# KiCad board raw.kicad_pcb (continued)
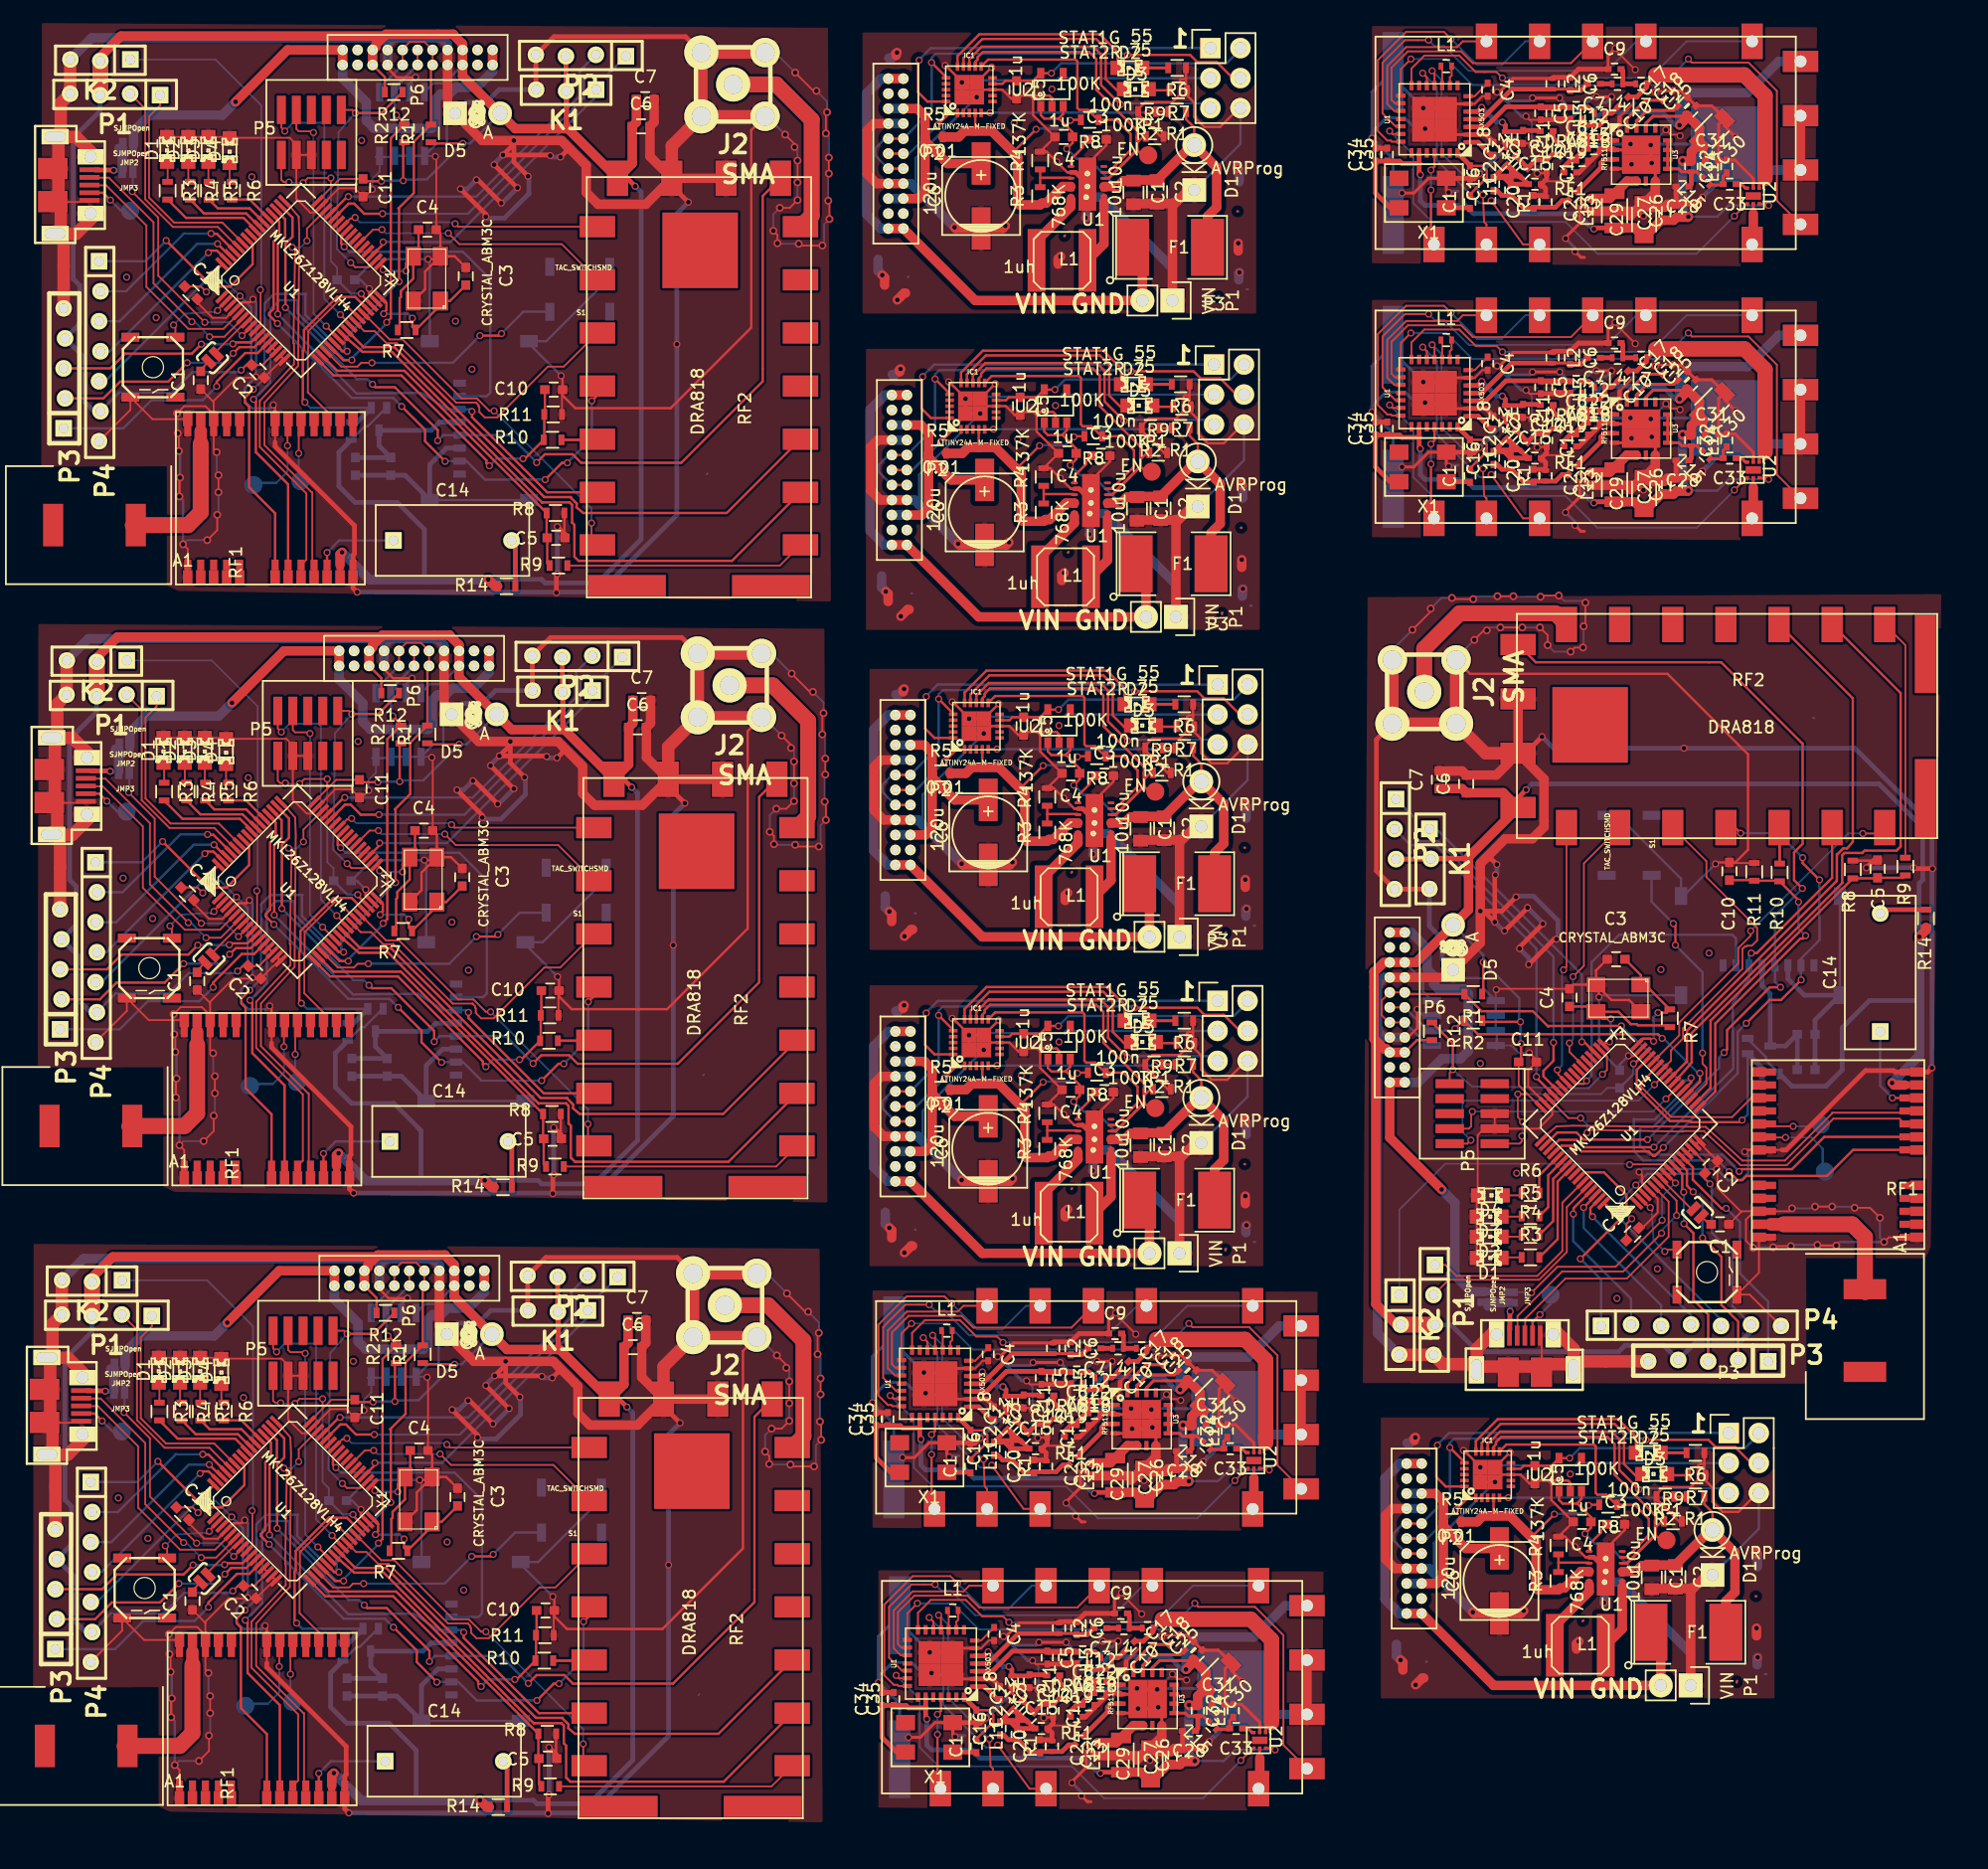
[diagram p0: board, top side]
## Routing (per net, layer and track width the routed paths; a pad name or vN(x,y) marks a point on that pad's centre or on a via; arc(x,y) is an arc through that point) (continued)
  Bottom w0.8: 117.55,41.8 P1#9.3 ; 3.83,42.56 P1#8.3 ; 4.23,95.06 P1#7.3 ; 4.53,145.96 P1#6.3 ; v1(156.28,62.28) 158.6,64.6 158.6,74.63 v1(158.58,74.65) ; v1(24.3,3.83) 26.62,1.5 36.65,1.5 v1(36.68,1.53) ; v1(24.7,56.33) 27.02,54 37.05,54 v1(37.08,54.03) ; v1(25,107.23) 27.33,104.9 37.35,104.9 v1(37.38,104.93) ; v1(139.03,135.65) 138.53,136.15 v1(138.53,140.4) ; v1(97.22,4.85) 96.72,5.35 v1(96.72,9.6) ; v1(96.72,28.55) 96.22,29.05 v1(96.22,33.3) ; v1(139.03,112.45) 138.53,112.95 v1(138.53,117.2) ; v1(138.28,120.2) 138.28,121.95 139.28,122.95 144.03,122.95 146.67,125.6 RF1#8.8 ; v1(138.28,143.4) 138.28,145.15 139.28,146.15 144.03,146.15 146.67,148.8 RF1#7.8 ; v1(96.47,12.6) 96.47,14.35 97.47,15.35 102.22,15.35 104.88,18 RF1#6.8 ; v1(95.97,36.3) 95.97,38.05 96.97,39.05 101.72,39.05 104.38,41.7 RF1#5.8 ; P2#5.5 P2#5.6 ; P2#2.17 P2#2.18 ; P2#5.17 P2#5.18 ; P2#3.17 P2#3.18 ; P2.5 P2.6 ; P2#3.5 P2#3.6 ; P2#2.5 P2#2.6 ; P2#4.5 P2#4.6 ; P2#4.17 P2#4.18 ; P2.17 P2.18
/Vin: length 175.6
  Top w0.2: U1#5.10 U1#5.11 ; U1#4.10 U1#4.11 ; U1.10 U1.11 ; U1#3.10 U1#3.11 ; U1#2.10 U1#2.11 ; 129.6,26.68 129.57,26.65 128.38,26.65 128.07,26.95 U2#4.1 ; 129.6,26.68 130.78,25.5 C4#5.1 130.78,24.6 v1(130.28,24.1) ; 129.6,26.68 129.97,27.05 U2#4.3 ; 86.3,63.28 86.28,63.25 85.07,63.25 84.78,63.55 U2#5.1 ; 86.3,63.28 87.47,62.1 C4#4.1 87.47,61.2 v1(86.97,60.7) ; 86.3,63.28 86.68,63.65 U2#5.3 ; 86.3,90.08 86.28,90.05 85.07,90.05 84.78,90.35 U2#3.1 ; 86.3,90.08 87.47,88.9 C4#3.1 87.47,88 v1(86.97,87.5) ; 86.3,90.08 86.68,90.45 U2#3.3 ; 86,117.18 85.97,117.15 84.78,117.15 84.47,117.45 U2#2.1 ; 86,117.18 87.18,116 C4#2.1 87.18,115.1 v1(86.68,114.6) ; 86,117.18 86.38,117.55 U2#2.3 ; 85.7,143.98 85.68,143.95 84.47,143.95 84.18,144.25 U2.1 ; 85.7,143.98 86.88,142.8 C4.1 86.88,141.9 v1(86.38,141.4) ; 85.7,143.98 86.07,144.35 U2.3 ; v1(134.53,20.85) 134.53,20.9 ; v1(134.53,20.85) 134.53,20.9 ; v1(134.53,20.85) 134.53,20.9 ; v1(91.22,57.45) 91.22,57.5 ; v1(91.22,57.45) 91.22,57.5 ; v1(91.22,57.45) 91.22,57.5 ; v1(91.22,84.25) 91.22,84.3 ; v1(91.22,84.25) 91.22,84.3 ; v1(91.22,84.25) 91.22,84.3 ; v1(90.93,111.35) 90.93,111.4 ; v1(90.93,111.35) 90.93,111.4 ; v1(90.93,111.35) 90.93,111.4 ; v1(90.62,138.15) 90.62,138.2 ; v1(90.62,138.15) 90.62,138.2 ; v1(90.62,138.15) 90.62,138.2 ; R1#4.1 140.38,26.6 141.07,25.9 D1#5.2 ; R1#5.1 97.07,63.2 97.78,62.5 D1#4.2 ; R1#3.1 97.07,90 97.78,89.3 D1.2 ; R1#2.1 96.78,117.1 97.47,116.4 D1#3.2 ; R1.1 96.47,143.9 97.18,143.2 D1#2.2
  Top w0.8: v1(134.53,20.85) 135.07,21.4 C1#5.1 135.97,21.45 C2#5.1 140.88,24.41 D1#5.2 142.97,22.51 142.97,19.15 142.2,18.38 F1#5.2 ; v1(91.22,57.45) 91.78,58 C1#4.1 92.68,58.05 C2#4.1 97.59,61.01 D1#4.2 99.68,59.11 99.68,55.75 98.9,54.98 F1#4.2 ; v1(91.22,84.25) 91.78,84.8 C1#3.1 92.68,84.85 C2#3.1 97.59,87.81 D1.2 99.68,85.91 99.68,82.55 98.9,81.78 F1#3.2 ; v1(90.93,111.35) 91.47,111.9 C1#2.1 92.38,111.95 C2#2.1 97.28,114.91 D1#3.2 99.38,113.01 99.38,109.65 98.6,108.88 F1#2.2 ; v1(90.62,138.15) 91.18,138.7 C1.1 92.07,138.75 C2.1 96.99,141.71 D1#2.2 99.07,139.81 99.07,136.45 98.3,135.68 F1.2 ; 89.53,138.2 90.62,138.2 ; 90.12,57.5 91.22,57.5 ; 133.42,20.9 134.53,20.9 ; 90.12,84.3 91.22,84.3 ; 89.82,111.4 90.93,111.4
  Bottom w0.2: v1(130.28,24.1) 131.12,23.25 132.12,23.25 v1(134.53,20.85) ; v1(86.97,60.7) 87.82,59.85 88.82,59.85 v1(91.22,57.45) ; v1(86.97,87.5) 87.82,86.65 88.82,86.65 v1(91.22,84.25) ; v1(86.68,114.6) 87.53,113.75 88.53,113.75 v1(90.93,111.35) ; v1(86.38,141.4) 87.22,140.55 88.22,140.55 v1(90.62,138.15)
GND: length 3707.6
  Top w0.152: 146.1,51.5 RF1#4.10 ; RF1#4.10 147.55,51.4 v2(147.8,51.65) ; RF1#4.10 144.6,51.4 143.9,50.7 143.9,48.9 v2(144.5,48.3) ; RF1#4.10 RF1#4.10 143.55,51.4 143.5,51.35 ; 13.53,14 RF1#3.10 ; RF1#3.10 13.43,12.55 v2(13.68,12.3) ; RF1#3.10 13.43,15.5 12.73,16.2 10.93,16.2 v2(10.33,15.6) ; RF1#3.10 RF1#3.10 13.43,16.55 13.38,16.6 ; 13.93,66.5 RF1#2.10 ; RF1#2.10 13.83,65.05 v2(14.08,64.8) ; RF1#2.10 13.83,68 13.12,68.7 11.33,68.7 v2(10.73,68.1) ; RF1#2.10 RF1#2.10 13.83,69.05 13.78,69.1 ; 14.23,117.4 RF1.10 ; RF1.10 14.12,115.95 v2(14.38,115.7) ; RF1.10 RF1.10 14.12,119.95 14.08,120 ; RF1.10 14.12,118.9 13.43,119.6 11.62,119.6 v2(11.03,119) ; 146.1,49.1 RF1#4.12 RF1#4.12 145,46.21 S2#4.4 144.22,44.35 P4#4.7 ; 11.12,14 RF1#3.12 RF1#3.12 8.23,15.1 S2#3.4 6.37,15.89 P4#3.7 ; 11.53,66.5 RF1#2.12 RF1#2.12 8.63,67.6 S2#2.4 6.77,68.39 P4#2.7 ; 11.83,117.4 RF1.12 RF1.12 8.93,118.5 S2.4 7.07,119.29 P4.7 ; 143.5,51.35 C1#9.1 ; 143.5,51.35 141.48,53.37 C2#9.1 139.97,57.2 U1#9.16 U1#9.15 ; 13.38,16.6 C1#8.1 ; 13.38,16.6 15.39,18.62 C2#8.1 19.22,20.13 U1#8.16 U1#8.15 ; 13.78,69.1 C1#7.1 ; 13.78,69.1 15.79,71.12 C2#7.1 19.62,72.63 U1#7.16 U1#7.15 ; 14.08,120 C1#6.1 ; 14.08,120 16.09,122.02 C2#6.1 19.92,123.53 U1#6.16 U1#6.15 ; 126.6,38.25 126.6,41.26 126.51,41.36 ; 0.27,33.5 3.28,33.5 3.38,33.6 ; 0.67,86 3.68,86 3.78,86.1 ; 0.97,136.9 3.98,136.9 4.08,137 ; R11#4.2 142.55,80.9 C10#4.2 ; R11#3.2 42.93,17.55 C10#3.2 ; R11#2.2 43.33,70.05 C10#2.2 ; R11.2 43.62,120.95 C10.2 ; U1#9.4 136.43,52.45 136.43,51.3 135.13,50.01 C13#4.2 ; U1#8.4 14.47,23.68 13.33,23.68 12.03,24.97 C13#3.2 ; U1#7.4 14.87,76.18 13.73,76.18 12.43,77.47 C13#2.2 ; U1#6.4 15.17,127.08 14.03,127.08 12.73,128.37 C13.2 ; P5#4.3 126.33,58.4 127.5,59.58 127.5,59.98 126.91,60.57 U1#9.47 126.89,60.57 125.45,62 125.45,63.35 C11#4.2 126.15,64.23 v1(125.55,64.83) ; P5#4.3 P5#4.5 ; P5#4.3 121.73,58.4 121.18,57.85 121.18,52.78 D4#4.2 121.11,52.65 D3#9.2 D2#9.2 D1#9.2 ; P5#3.3 20.43,33.78 21.6,32.6 22,32.6 22.59,33.19 U1#8.47 22.59,33.22 24.02,34.65 25.38,34.65 C11#3.2 26.25,33.95 v1(26.85,34.55) ; P5#3.3 P5#3.5 ; P5#3.3 20.43,38.38 19.88,38.93 14.8,38.93 D4#3.2 14.68,39 D3#8.2 D2#8.2 D1#8.2 ; P5#2.3 20.83,86.28 22,85.1 22.4,85.1 22.99,85.69 U1#7.47 22.99,85.72 24.43,87.15 25.77,87.15 C11#2.2 26.65,86.45 v1(27.25,87.05) ; P5#2.3 P5#2.5 ; P5#2.3 20.83,90.88 20.27,91.43 15.2,91.43 D4#2.2 15.08,91.5 D3#7.2 D2#7.2 D1#7.2 ; P5.3 21.12,137.18 22.3,136 22.7,136 23.29,136.59 U1#6.47 23.29,136.62 24.73,138.05 26.08,138.05 C11.2 26.95,137.35 v1(27.55,137.95) ; P5.3 21.12,141.78 20.58,142.33 15.5,142.33 D4.2 15.38,142.4 D3#6.2 D2#6.2 D1#6.2 ; P5.3 P5.5 ; v1(122.75,70.18) 122.83,70.25 C4#9.2 ; v1(32.2,37.35) 32.27,37.28 C4#8.2 ; v1(32.6,89.85) 32.68,89.78 C4#7.2 ; v1(32.9,140.75) 32.98,140.68 C4#6.2 ; v1(138.65,90.63) 138.65,90.65 ; v1(52.65,21.45) 52.68,21.45 ; v1(53.05,73.95) 53.07,73.95 ; v1(53.35,124.85) 53.38,124.85 ; v2(120.9,99.8) 121.7,100.6 v2(121.95,100.6) ; v2(61.82,39.2) 62.63,38.4 v2(62.63,38.15) ; v2(62.23,91.7) 63.02,90.9 v2(63.02,90.65) ; v2(62.52,142.6) 63.32,141.8 v2(63.32,141.55) ; v2(123.1,100.85) v2(124.95,100.85) ; v2(62.88,37) v2(62.88,35.15) ; v2(63.27,89.5) v2(63.27,87.65) ; v2(63.57,140.4) v2(63.57,138.55) ; v2(126.45,100.85) 127.1,100.2 v2(127.1,99.35) ; v2(62.88,33.65) 62.23,33 v2(61.38,33) ; v2(63.27,86.15) 62.63,85.5 v2(61.77,85.5) ; v2(63.57,137.05) 62.93,136.4 v2(62.07,136.4) ; v2(129.05,98.8) 129.4,99.15 v2(130.1,99.15) ; v2(60.82,31.05) 61.18,30.7 v2(61.18,30) ; v2(61.23,83.55) 61.57,83.2 v2(61.57,82.5) ; v2(61.52,134.45) 61.88,134.1 v2(61.88,133.4) ; v2(130.15,100.95) 130.3,101.1 v2(130.3,102.95) ; v2(62.98,29.95) 63.13,29.8 v2(64.97,29.8) ; v2(63.38,82.45) 63.52,82.3 v2(65.38,82.3) ; v2(63.68,133.35) 63.82,133.2 v2(65.68,133.2) ; v2(115.65,100.65) 117.2,102.2 v2(117.2,102.45) ; v2(62.68,44.45) 64.22,42.9 v2(64.47,42.9) ; v2(63.07,96.95) 64.62,95.4 v2(64.88,95.4) ; v2(63.38,147.85) 64.93,146.3 v2(65.18,146.3) ; v2(119,103.35) 119.1,103.25 v2(120.8,103.25) ; v2(65.38,41.1) 65.28,41 v2(65.28,39.3) ; v2(65.78,93.6) 65.68,93.5 v2(65.68,91.8) ; v2(66.07,144.5) 65.97,144.4 v2(65.97,142.7) ; v2(122.85,103.5) v2(124.2,103.5) ; v2(65.53,37.25) v2(65.53,35.9) ; v2(65.93,89.75) v2(65.93,88.4) ; v2(66.22,140.65) v2(66.22,139.3) ; v2(126.5,103.45) 126.6,103.55 v2(128.05,103.55) ; v2(65.47,33.6) 65.57,33.5 v2(65.57,32.05) ; v2(65.88,86.1) 65.97,86 v2(65.97,84.55) ; v2(66.18,137) 66.28,136.9 v2(66.28,135.45) ; v2(155.6,48.8) 156,49.2 RF1#4.13 ; v2(10.83,4.5) 11.23,4.1 RF1#3.13 ; v2(11.23,57) 11.62,56.6 RF1#2.13 ; v2(11.53,107.9) 11.93,107.5 RF1.13 ; v2(155.25,50.85) 154.4,51.7 v2(153.1,51.7) ; v2(12.88,4.85) 13.73,5.7 v2(13.73,7) ; v2(13.28,57.35) 14.12,58.2 v2(14.12,59.5) ; v2(13.58,108.25) 14.43,109.1 v2(14.43,110.4) ; v2(151.2,51.8) v2(149.75,51.8) ; v2(13.83,8.9) v2(13.83,10.35) ; v2(14.23,61.4) v2(14.23,62.85) ; v2(14.53,112.3) v2(14.53,113.75) ; v2(146.2,48.35) 146.3,48.45 v2(147.7,48.45) ; v2(10.38,13.9) 10.48,13.8 v2(10.48,12.4) ; v2(10.78,66.4) 10.88,66.3 v2(10.88,64.9) ; v2(11.08,117.3) 11.18,117.2 v2(11.18,115.8) ; 19.33,116.55 RF1.7 RF1.7 ; RF1#4.7 RF1#4.7 146.95,56.6 ; RF1#4.24 RF1#4.24 ; RF1#3.7 RF1#3.7 18.62,13.15 ; RF1#2.7 RF1#2.7 19.02,65.65 ; RF1#3.24 RF1#3.24 ; RF1#2.24 RF1#2.24 ; RF1.24 RF1.24 ; 132.05,38.4 132.05,38.69 132.05,38.4 ; 0.43,28.05 0.71,28.05 0.43,28.05 ; 0.83,80.55 1.11,80.55 0.83,80.55 ; 1.12,131.45 1.41,131.45 1.12,131.45
  Top w0.16: v1(125.28,120.95) 125.57,120.65 C5#13.2 ; v1(125.28,144.15) 125.57,143.85 C5#12.2 ; v1(83.47,13.35) 83.78,13.05 C5#11.2 ; v1(82.97,37.05) 83.28,36.75 C5#10.2 ; v1(125.78,118.45) 125.57,118.65 C11#8.2 ; v1(125.78,141.65) 125.57,141.85 C11#7.2 ; v1(83.97,10.85) 83.78,11.05 C11#6.2 ; v1(83.47,34.55) 83.28,34.75 C11#5.2 ; C15#4.2 126.82,115.45 128.78,115.45 129.53,116.2 C19#4.2 ; C15#3.2 126.82,138.65 128.78,138.65 129.53,139.4 C19#3.2 ; C15#2.2 85.03,7.85 86.97,7.85 87.72,8.6 C19#2.2 ; C15.2 84.53,31.55 86.47,31.55 87.22,32.3 C19.2 ; U1#13.6 120.93,122 121.57,122.65 C4#13.2 ; U1#12.6 120.93,145.2 121.57,145.85 C4#12.2 ; U1#11.6 79.13,14.4 79.78,15.05 C4#11.2 ; U1#10.6 78.63,38.1 79.28,38.75 C4#10.2 ; 91.4,13.27 92.43,14.3 ; 133.2,120.87 134.22,121.9 ; 133.2,144.07 134.22,145.1 ; 90.9,36.97 91.93,38 ; v1(94.43,15.4) 94.51,15.49 C17#2.2 ; v1(136.22,123) 136.31,123.09 C17#4.2 ; v1(136.22,146.2) 136.31,146.29 C17#3.2 ; v1(93.93,39.1) 94.01,39.19 C17.2 ; v1(92.72,17.3) 91.03,19 v1(91.03,19.1) ; v1(134.53,124.9) 132.82,126.6 v1(132.82,126.7) ; v1(134.53,148.1) 132.82,149.8 v1(132.82,149.9) ; v1(92.22,41) 90.53,42.7 v1(90.53,42.8) ; v1(137.12,119.8) 137.53,119.4 138.22,119.4 v1(138.32,119.3) ; v1(137.12,143) 137.53,142.6 138.22,142.6 v1(138.32,142.5) ; v1(95.32,12.2) 95.72,11.8 96.43,11.8 v1(96.53,11.7) ; v1(94.82,35.9) 95.22,35.5 95.93,35.5 v1(96.03,35.4)
  Top w0.2: 127.47,28.35 127.42,28.3 127.42,26.95 C4#5.2 R4#4.2 128.57,23.85 v1(129.42,23) 130.32,22.1 U1#5.2 ; 127.47,28.35 127.72,28.6 127.67,28.55 127.67,28.6 ; 127.47,28.35 127.42,28.35 127.17,28.6 ; 84.18,64.95 84.12,64.9 84.12,63.55 C4#4.2 R4#5.2 85.28,60.45 v1(86.12,59.6) 87.03,58.7 U1#4.2 ; 84.18,64.95 84.43,65.2 84.38,65.15 84.38,65.2 ; 84.18,64.95 84.12,64.95 83.88,65.2 ; 84.18,91.75 84.12,91.7 84.12,90.35 C4#3.2 R4#3.2 85.28,87.25 v1(86.12,86.4) 87.03,85.5 U1.2 ; 84.18,91.75 84.43,92 84.38,91.95 84.38,92 ; 84.18,91.75 84.12,91.75 83.88,92 ; 83.88,118.85 83.82,118.8 83.82,117.45 C4#2.2 R4#2.2 84.97,114.35 v1(85.82,113.5) 86.72,112.6 U1#3.2 ; 83.88,118.85 84.12,119.1 84.07,119.05 84.07,119.1 ; 83.88,118.85 83.82,118.85 83.57,119.1 ; 83.57,145.65 83.53,145.6 83.53,144.25 C4.2 R4.2 84.68,141.15 v1(85.53,140.3) 86.43,139.4 U1#2.2 ; 83.57,145.65 83.82,145.9 83.78,145.85 83.78,145.9 ; 83.57,145.65 83.53,145.65 83.28,145.9 ; 127.67,28.6 127.17,28.6 ; 127.67,28.6 128.82,28.6 129.03,28.4 U2#4.2 129.03,28 ; 84.38,65.2 83.88,65.2 ; 84.38,65.2 85.53,65.2 85.72,65 U2#5.2 85.72,64.6 ; 84.38,92 83.88,92 ; 84.38,92 85.53,92 85.72,91.8 U2#3.2 85.72,91.4 ; 84.07,119.1 83.57,119.1 ; 84.07,119.1 85.22,119.1 85.43,118.9 U2#2.2 85.43,118.5 ; 83.78,145.9 83.28,145.9 ; 83.78,145.9 84.93,145.9 85.12,145.7 U2.2 85.12,145.3 ; 127.17,28.6 126.28,28.6 C5#5.2 125.57,28.35 124.82,29.1 IC1#5.8 123.27,29.1 v1(122.65,28.48) IC1#5.21 v1(121.4,29.72) ; 83.88,65.2 82.97,65.2 C5#4.2 82.28,64.95 81.53,65.7 IC1#4.8 79.97,65.7 v1(79.35,65.08) IC1#4.21 v1(78.1,66.32) ; 83.88,92 82.97,92 C5#3.2 82.28,91.75 81.53,92.5 IC1#3.8 79.97,92.5 v1(79.35,91.88) IC1#3.21 v1(78.1,93.12) ; 83.57,119.1 82.68,119.1 C5#2.2 81.97,118.85 81.22,119.6 IC1#2.8 79.67,119.6 v1(79.05,118.98) IC1#2.21 v1(77.8,120.22) ; 83.28,145.9 82.38,145.9 C5.2 81.68,145.65 80.93,146.4 IC1.8 79.37,146.4 v1(78.75,145.78) IC1.21 v1(77.5,147.02) ; 132.17,21.25 U1#5.PAD ; U1#5.PAD U1#5.PAD U1#5.PAD ; U1#5.PAD 132.03,22.8 133.62,24.4 C3#5.2 ; 88.88,57.85 U1#4.PAD ; U1#4.PAD U1#4.PAD U1#4.PAD ; U1#4.PAD 88.72,59.4 90.32,61 C3#4.2 ; 88.88,84.65 U1.PAD ; U1.PAD U1.PAD U1.PAD ; U1.PAD 88.72,86.2 90.32,87.8 C3#3.2 ; 88.57,111.75 U1#3.PAD ; U1#3.PAD U1#3.PAD U1#3.PAD ; U1#3.PAD 88.43,113.3 90.03,114.9 C3#2.2 ; 88.28,138.55 U1#2.PAD ; U1#2.PAD U1#2.PAD U1#2.PAD ; U1#2.PAD 88.12,140.1 89.72,141.7 C3.2 ; 140.38,30 139.97,30 139.88,29.9 139.88,28.7 139.22,28.05 136.92,28.05 136.32,27.45 R2#4.2 136.32,27.05 138.22,25.15 R9#5.2 ; 140.38,30 140.38,29.15 R7#4.1 140.47,28.6 141.07,28 141.07,26.8 141.92,25.95 143.28,25.95 144.87,27.55 P3#4.6 ; 140.38,30 R6#4.1 ; 97.07,66.6 96.68,66.6 96.57,66.5 96.57,65.3 95.93,64.65 93.62,64.65 93.03,64.05 R2#5.2 93.03,63.65 94.93,61.75 R9#4.2 ; 97.07,66.6 97.07,65.75 R7#5.1 97.18,65.2 97.78,64.6 97.78,63.4 98.62,62.55 99.97,62.55 101.57,64.15 P3#5.6 ; 97.07,66.6 R6#5.1 ; 97.07,93.4 96.68,93.4 96.57,93.3 96.57,92.1 95.93,91.45 93.62,91.45 93.03,90.85 R2#3.2 93.03,90.45 94.93,88.55 R9.2 ; 97.07,93.4 97.07,92.55 R7#3.1 97.18,92 97.78,91.4 97.78,90.2 98.62,89.35 99.97,89.35 101.57,90.95 P3#3.6 ; 97.07,93.4 R6#3.1 ; 96.78,120.5 96.38,120.5 96.28,120.4 96.28,119.2 95.62,118.55 93.32,118.55 92.72,117.95 R2#2.2 92.72,117.55 94.62,115.65 R9#3.2 ; 96.78,120.5 96.78,119.65 R7#2.1 96.88,119.1 97.47,118.5 97.47,117.3 98.32,116.45 99.68,116.45 101.27,118.05 101.39,118.05 ; 96.78,120.5 R6#2.1 ; 96.47,147.3 96.07,147.3 95.97,147.2 95.97,146 95.32,145.35 93.03,145.35 92.43,144.75 R2.2 92.43,144.35 94.32,142.45 R9#2.2 ; 96.47,147.3 96.47,146.45 R7.1 96.57,145.9 97.18,145.3 97.18,144.1 98.03,143.25 99.38,143.25 100.97,144.85 101.09,144.85 ; 96.47,147.3 R6.1 ; v1(119.97,31.15) 120.03,31.15 121.4,29.77 v1(121.4,29.72) ; v1(76.68,67.75) 76.72,67.75 78.1,66.37 v1(78.1,66.32) ; v1(76.68,94.55) 76.72,94.55 78.1,93.17 v1(78.1,93.12) ; v1(76.38,121.65) 76.43,121.65 77.8,120.27 v1(77.8,120.22) ; v1(76.07,148.45) 76.12,148.45 77.5,147.07 v1(77.5,147.02) ; R8#9.2 155,81.1 C5#9.2 ; R8#8.2 43.12,5.1 C5#8.2 ; R8#7.2 43.52,57.6 C5#7.2 ; R8#6.2 43.83,108.5 C5#6.2 ; 112.6,80.23 112.6,91.35 J2#4.2 ; 42.25,47.5 53.38,47.5 J2#3.2 ; 42.65,100 53.77,100 J2#2.2 ; 42.95,150.9 54.07,150.9 J2.2 ; K1#4.3 114.16,78.71 P2#9.4 ; K1#3.3 40.73,45.94 P2#8.4 ; K1#2.3 41.13,98.44 P2#7.4 ; K1.3 41.44,149.34 P2#6.4 ; RF1#4.13 156.9,49.05 156.8,49.15 158.35,49.15 RF1#4.13 ; RF1#3.13 11.08,3.2 11.18,3.3 11.18,1.75 RF1#3.13 ; RF1#2.13 11.48,55.7 11.58,55.8 11.58,54.25 RF1#2.13 ; RF1.13 11.78,106.6 11.88,106.7 11.88,105.15 RF1.13 ; 158.35,63.15 RF1#4.24 ; 25.18,1.75 RF1#3.24 ; 25.58,54.25 RF1#2.24 ; 25.88,105.15 RF1.24 ; 121.11,38.45 123.6,38.45 123.81,38.25 ; 0.48,39 0.48,36.5 0.27,36.3 ; 0.88,91.5 0.88,89 0.67,88.8 ; 1.18,142.4 1.18,139.9 0.97,139.7 ; X1#4.2 131.2,71.81 C3#9.2 ; X1#4.2 129.31,70.61 C4#9.2 ; X1#4.2 131.45,70.36 v1(131.45,69.55) ; X1#4.2 132.51,69.3 134,69.3 X1#4.4 ; X1#3.2 33.83,28.9 C3#8.2 ; X1#3.2 32.63,30.8 C4#8.2 ; X1#3.2 32.38,28.65 v1(31.58,28.65) ; X1#3.2 31.33,27.6 31.33,26.1 X1#3.4 ; X1#2.2 34.23,81.4 C3#7.2 ; X1#2.2 33.03,83.3 C4#7.2 ; X1#2.2 32.78,81.15 v1(31.98,81.15) ; X1#2.2 31.73,80.1 31.73,78.6 X1#2.4 ; X1.2 34.53,132.3 C3#6.2 ; X1.2 33.33,134.2 C4#6.2 ; X1.2 33.08,132.05 v1(32.27,132.05) ; X1.2 32.02,131 32.02,129.5 X1.4 ; v1(133.95,64.58) 134.43,64.58 U1#9.31 ; v1(26.6,26.15) 26.6,25.67 U1#8.31 ; v1(27,78.65) 27,78.17 U1#7.31 ; v1(27.3,129.55) 27.3,129.07 U1#6.31 ; 141.48,55.62 C2#9.1 141.5,55.69 v1(141.43,54.98) ; 17.64,18.62 C2#8.1 17.71,18.61 v1(17,18.68) ; 18.04,71.12 C2#7.1 18.11,71.11 v1(17.4,71.18) ; 18.34,122.02 C2#6.1 18.41,122.01 v1(17.7,122.08) ; v1(134.85,54.73) 135.1,54.48 135.1,53.8 135.73,53.18 U1#9.4 135.73,53.2 ; v1(16.75,25.25) 16.5,25 15.83,25 15.2,24.38 U1#8.4 15.23,24.38 ; v1(17.15,77.75) 16.9,77.5 16.23,77.5 15.6,76.88 U1#7.4 15.63,76.88 ; v1(17.45,128.65) 17.2,128.4 16.52,128.4 15.9,127.78 U1#6.4 15.93,127.78 ; v1(116.05,68.5) 116.05,66.9 115.28,66.13 P6#4.16 ; v1(30.52,44.05) 28.93,44.05 28.16,44.82 P6#3.16 ; v1(30.93,96.55) 29.33,96.55 28.55,97.32 P6#2.16 ; v1(31.23,147.45) 29.62,147.45 28.86,148.22 P6.16 ; J2#4.4 120.53,96.93 137.25,96.93 144.08,90.1 144.08,82.03 143,80.95 C10#4.2 141.45,80.95 v1(141.33,80.83) ; J2#3.4 58.95,39.57 58.95,22.85 52.13,16.03 44.05,16.03 42.98,17.1 C10#3.2 42.98,18.65 v1(42.85,18.78) ; J2#2.4 59.35,92.07 59.35,75.35 52.52,68.53 44.45,68.53 43.38,69.6 C10#2.2 43.38,71.15 v1(43.25,71.28) ; J2.4 59.65,142.97 59.65,126.25 52.82,119.43 44.75,119.43 43.68,120.5 C10.2 43.68,122.05 v1(43.55,122.18) ; v1(143.8,56.45) 143.95,56.6 RF1#4.7 ; v1(18.48,16.3) 18.62,16.15 RF1#3.7 ; v1(18.88,68.8) 19.02,68.65 RF1#2.7 ; v1(19.18,119.7) 19.33,119.55 RF1.7 ; v2(149.95,48.55) 150,48.5 v2(151.55,48.5) ; v2(10.58,10.15) 10.53,10.1 v2(10.53,8.55) ; v2(10.98,62.65) 10.93,62.6 v2(10.93,61.05) ; v2(11.28,113.55) 11.23,113.5 v2(11.23,111.95) ; v1(126.22,116.1) 126.28,116.15 C13#8.2 ; v1(126.22,139.3) 126.28,139.35 C13#7.2 ; v1(84.43,8.5) 84.47,8.55 C13#6.2 ; v1(83.93,32.2) 83.97,32.25 C13#5.2 ; 95.93,79.55 v1(95.93,79.4) ; v1(80.62,94.4) IC1#3.21 v1(78.1,93.12) ; v1(121.4,29.72) IC1#5.21 v1(123.92,31) ; v1(77.8,120.22) IC1#2.21 v1(80.32,121.5) ; 95.93,52.75 v1(95.93,52.6) ; v1(80.03,148.3) IC1.21 v1(77.5,147.02) ; 139.22,16.15 v1(139.22,16) ; v1(78.1,66.32) IC1#4.21 v1(80.62,67.6) ; 95.62,106.65 v1(95.62,106.5) ; 95.32,133.45 v1(95.32,133.3)
  Top w0.25: 128.92,124.15 C6#13.1 ; 128.92,147.35 C6#12.1 ; 87.12,16.55 C6#11.1 ; 86.62,40.25 C6#10.1 ; C30.1 141.01,121.84 C25#4.2 C18#4.2 138.41,123.09 C17#4.2 ; C30.1 141.57,120.25 C31#4.2 142.22,117.2 C32#4.2 142.97,117.25 144.53,115.7 U2#9.5 ; C30.1 142.09,120.14 v1(143.03,119.2) ; C30#4.1 141.01,145.04 C25#3.2 C18#3.2 138.41,146.29 C17#3.2 ; C30#4.1 141.57,143.45 C31#3.2 142.22,140.4 C32#3.2 142.97,140.45 144.53,138.9 U2#8.5 ; C30#4.1 142.09,143.34 v1(143.03,142.4) ; C30#3.1 99.21,14.24 C25#2.2 C18#2.2 96.61,15.49 C17#2.2 ; C30#3.1 99.78,12.65 C31#2.2 100.43,9.6 C32#2.2 101.18,9.65 102.72,8.1 U2#7.5 ; C30#3.1 100.29,12.54 v1(101.22,11.6) ; C30#2.1 98.71,37.94 C25.2 C18.2 96.11,39.19 C17.2 ; C30#2.1 99.28,36.35 C31.2 99.93,33.3 C32.2 100.68,33.35 102.22,31.8 U2#6.5 ; C30#2.1 99.79,36.24 v1(100.72,35.3) ; v1(114.78,114.45) 115.78,114.45 117.03,115.7 X1#8.2 118.53,114.7 v1(118.72,114.5) ; v1(114.78,137.65) 115.78,137.65 117.03,138.9 X1#7.2 118.53,137.9 v1(118.72,137.7) ; v1(72.97,6.85) 73.97,6.85 75.22,8.1 X1#6.2 76.72,7.1 v1(76.93,6.9) ; v1(72.47,30.55) 73.47,30.55 74.72,31.8 X1#5.2 76.22,30.8 v1(76.43,30.6) ; v1(134.21,116.89) 133.82,116.5 U3#8.4 ; v1(134.21,116.89) 135.81,116.89 v1(135.92,117) ; v1(134.21,116.89) U3#8.21 ; v1(134.21,140.09) 133.82,139.7 U3#7.4 ; v1(134.21,140.09) 135.81,140.09 v1(135.92,140.2) ; v1(134.21,140.09) U3#7.21 ; v1(92.41,9.29) 92.03,8.9 U3#6.4 ; v1(92.41,9.29) 94.01,9.29 v1(94.12,9.4) ; v1(92.41,9.29) U3#6.21 ; v1(91.91,32.99) 91.53,32.6 U3#5.4 ; v1(91.91,32.99) 93.51,32.99 v1(93.62,33.1) ; v1(91.91,32.99) U3#5.21 ; U3#8.21 133.8,118.1 U3#8.2 ; U3#8.21 v1(134.12,118.6) ; U3#8.21 v1(135.84,118.51) ; U3#8.21 v1(135.84,118.51) ; U3#7.21 133.8,141.3 U3#7.2 ; U3#7.21 v1(134.12,141.8) ; U3#7.21 v1(135.84,141.71) ; U3#7.21 v1(135.84,141.71) ; U3#6.21 92,10.5 U3#6.2 ; U3#6.21 v1(92.32,11) ; U3#6.21 v1(94.04,10.91) ; U3#6.21 v1(94.04,10.91) ; U3#5.21 91.5,34.2 U3#5.2 ; U3#5.21 v1(91.82,34.7) ; U3#5.21 v1(93.54,34.61) ; U3#5.21 v1(93.54,34.61) ; U3#8.21 136.22,116.5 U3#8.8 ; U3#8.21 v1(135.84,118.51) ; U3#7.21 136.22,139.7 U3#7.8 ; U3#7.21 v1(135.84,141.71) ; U3#6.21 94.43,8.9 U3#6.8 ; U3#6.21 v1(94.04,10.91) ; U3#5.21 93.93,32.6 U3#5.8 ; U3#5.21 v1(93.54,34.61) ; v1(112.22,119.1) 112.53,118.8 C34#4.2 ; v1(112.22,142.3) 112.53,142 C34#3.2 ; v1(70.43,11.5) 70.72,11.2 C34#2.2 ; v1(69.93,35.2) 70.22,34.9 C34.2 ; v1(128.92,119.3) 128.82,119.4 128.82,120.75 128.82,120.65 ; v1(128.92,142.5) 128.82,142.6 128.82,143.95 128.82,143.85 ; v1(87.12,11.7) 87.03,11.8 87.03,13.15 87.03,13.05 ; v1(86.62,35.4) 86.53,35.5 86.53,36.85 86.53,36.75 ; v1(122.82,123) 123.03,123 124.17,124.15 L2#4.1 ; v1(122.82,146.2) 123.03,146.2 124.17,147.35 L2#3.1 ; v1(81.03,15.4) 81.22,15.4 82.38,16.55 L2#2.1 ; v1(80.53,39.1) 80.72,39.1 81.88,40.25 L2.1 ; v1(116.72,119.9) U1#13.29 U1#13.29 118.83,119.4 U1#13.2 ; v1(116.72,143.1) U1#12.29 U1#12.29 118.83,142.6 U1#12.2 ; v1(74.93,12.3) U1#11.29 U1#11.29 77.03,11.8 U1#11.2 ; v1(74.43,36) U1#10.29 U1#10.29 76.53,35.5 U1#10.2 ; v1(135.22,112.5) 134.65,113.08 134.3,113.08 134.12,112.9 134.12,112.55 ; v1(135.22,135.7) 134.65,136.28 134.3,136.28 134.12,136.1 134.12,135.75 ; v1(93.43,4.9) 92.85,5.48 92.5,5.48 92.32,5.3 92.32,4.95 ; v1(92.93,28.6) 92.35,29.18 92,29.18 91.82,29 91.82,28.65 ; v1(128.62,110.6) 128.62,110.7 129.82,111.9 v1(129.82,113.6) 130.53,112.9 C24#4.1 ; v1(128.62,133.8) 128.62,133.9 129.82,135.1 v1(129.82,136.8) 130.53,136.1 C24#3.1 ; v1(86.82,3) 86.82,3.1 88.03,4.3 v1(88.03,6) 88.72,5.3 C24#2.1 ; v1(86.32,26.7) 86.32,26.8 87.53,28 v1(87.53,29.7) 88.22,29 C24.1 ; v1(87.62,1.9) 88.12,1.4 88.43,1.4 ; v1(129.42,109.5) 129.92,109 130.22,109 ; v1(129.42,132.7) 129.92,132.2 130.22,132.2 ; v1(87.12,25.6) 87.62,25.1 87.93,25.1 ; v1(89.43,15) v1(90.72,15) ; v1(131.22,122.6) v1(132.53,122.6) ; v1(131.22,145.8) v1(132.53,145.8) ; v1(88.93,38.7) v1(90.22,38.7) ; v1(86.32,14.9) v1(84.03,14.9) ; v1(128.12,122.5) v1(125.82,122.5) ; v1(128.12,145.7) v1(125.82,145.7) ; v1(85.82,38.6) v1(83.53,38.6) ; v1(91.03,19.1) 90.43,18.5 C9#2.1 ; v1(132.82,126.7) 132.22,126.1 C9#4.1 ; v1(132.82,149.9) 132.22,149.3 C9#3.1 ; v1(90.53,42.8) 89.93,42.2 C9.1 ; v1(116.58,121.65) U1#13.29 118.83,122 U1#13.6 ; U1#11.6 77.03,14.4 U1#11.29 v1(74.78,14.05) ; U1#12.6 118.83,145.2 U1#12.29 v1(116.58,144.85) ; U1#10.6 76.53,38.1 U1#10.29 v1(74.28,37.75)
  Top w0.4: U1#5.PAD U1#5.PAD 131.03,22.1 U1#5.2 ; U1#4.PAD U1#4.PAD 87.72,58.7 U1#4.2 ; U1.PAD U1.PAD 87.72,85.5 U1.2 ; U1#3.PAD U1#3.PAD 87.43,112.6 U1#3.2 ; U1#2.PAD U1#2.PAD 87.12,139.4 U1#2.2 ; v1(126.63,91.6) 125.23,90.2 RF2#4.9 ; v1(53.63,33.48) 52.23,34.88 RF2#3.9 ; v1(54.02,85.98) 52.63,87.38 RF2#2.9 ; v1(54.32,136.88) 52.93,138.28 RF2.9 ; v1(159.65,63.55) 159.3,63.2 RF1#4.24 ; v1(25.58,0.45) 25.23,0.8 RF1#3.24 ; v1(25.98,52.95) 25.62,53.3 RF1#2.24 ; v1(26.27,103.85) 25.93,104.2 RF1.24 ; v1(154.1,80.5) 154.75,81.15 C5#9.2 ; v1(42.52,6) 43.18,5.35 C5#8.2 ; v1(42.93,58.5) 43.58,57.85 C5#7.2 ; v1(43.23,109.4) 43.88,108.75 C5#6.2 ; v1(158.1,80.5) 158.18,80.43 v1(159.7,80.43) ; v1(42.52,2) 42.45,1.93 v1(42.45,0.4) ; v1(42.93,54.5) 42.85,54.43 v1(42.85,52.9) ; v1(43.23,105.4) 43.15,105.33 v1(43.15,103.8) ; RF1#4.24 156.53,63.2 156.4,63.33 154.03,63.33 147.3,56.6 146.95,56.6 ; RF1#3.24 25.23,3.58 25.35,3.7 25.35,6.08 18.62,12.8 18.62,13.15 ; RF1#2.24 25.62,56.08 25.75,56.2 25.75,58.58 19.02,65.3 19.02,65.65 ; RF1.24 25.93,106.98 26.05,107.1 26.05,109.48 19.33,116.2 19.33,116.55 ; 118.53,98.1 J2#4.4 ; 60.13,41.57 J2#3.4 ; 60.53,94.07 J2#2.4 ; 60.83,144.97 J2.4 ; K1#4.3 117.07,78.69 P2#9.4 112.6,80.23 112.6,91.35 J2#4.2 ; K1#3.3 40.72,43.03 P2#8.4 42.25,47.5 53.38,47.5 J2#3.2 ; K1#2.3 41.12,95.53 P2#7.4 42.65,100 53.77,100 J2#2.2 ; K1.3 41.41,146.43 P2#6.4 42.95,150.9 54.07,150.9 J2.2 ; v1(123.45,75.15) 125.4,77.1 v1(125.4,77.13) ; v1(37.18,36.65) 39.12,34.7 v1(39.15,34.7) ; v1(37.58,89.15) 39.52,87.2 v1(39.55,87.2) ; v1(37.88,140.05) 39.83,138.1 v1(39.85,138.1) ; v1(126.7,75.75) 124.73,73.78 v1(124.73,73.65) ; v1(37.77,33.4) 35.8,35.38 v1(35.68,35.38) ; v1(38.18,85.9) 36.2,87.88 v1(36.08,87.88) ; v1(38.48,136.8) 36.5,138.78 v1(36.38,138.78) ; v1(125.5,72.3) 127.65,74.45 v1(127.85,74.45) ; v1(34.33,34.6) 36.48,32.45 v1(36.48,32.25) ; v1(34.73,87.1) 36.88,84.95 v1(36.88,84.75) ; v1(35.02,138) 37.18,135.85 v1(37.18,135.65) ; v1(124.43,78.03) 123.23,76.83 v1(121.4,76.83) 121.7,76.83 v1(122.63,75.9) 122.63,79.85 v1(122.68,79.9) ; v1(40.05,35.68) 38.85,36.88 v1(38.85,38.7) 38.85,38.4 v1(37.93,37.48) 41.88,37.48 v1(41.93,37.43) ; v1(40.45,88.18) 39.25,89.38 v1(39.25,91.2) 39.25,90.9 v1(38.33,89.98) 42.27,89.98 v1(42.33,89.93) ; v1(40.75,139.08) 39.55,140.28 v1(39.55,142.1) 39.55,141.8 v1(38.62,140.88) 42.58,140.88 v1(42.62,140.83) ; v1(122.8,80.78) 122.33,81.25 121.8,81.25 ; v1(42.8,37.3) 43.27,37.78 43.27,38.3 ; v1(43.2,89.8) 43.68,90.28 43.68,90.8 ; v1(43.5,140.7) 43.98,141.18 43.98,141.7 ; U3#8.2 132.67,118.2 C22#4.2 131.57,118 130.78,117.2 C21#4.2 130.57,117 129.78,116.2 C19#4.2 ; U3#7.2 132.67,141.4 C22#3.2 131.57,141.2 130.78,140.4 C21#3.2 130.57,140.2 129.78,139.4 C19#3.2 ; U3#6.2 90.88,10.6 C22#2.2 89.78,10.4 88.97,9.6 C21#2.2 88.78,9.4 87.97,8.6 C19#2.2 ; U3#5.2 90.38,34.3 C22.2 89.28,34.1 88.47,33.3 C21.2 88.28,33.1 87.47,32.3 C19.2 ; L2#4.1 127.62,124.25 C6#13.1 129.72,124.95 C9#4.1 ; L2#3.1 127.62,147.45 C6#12.1 129.72,148.15 C9#3.1 ; L2#2.1 85.82,16.65 C6#11.1 87.93,17.35 C9#2.1 ; L2.1 85.32,40.35 C6#10.1 87.43,41.05 C9.1 ; C3#13.1 121.88,119.4 U1#13.2 ; C3#12.1 121.88,142.6 U1#12.2 ; C3#11.1 80.08,11.8 U1#11.2 ; C3#10.1 79.58,35.5 U1#10.2 ; C11#8.2 124.92,118.75 L8#4.1 123.53,118 v1(123.42,117.9) ; C11#7.2 124.92,141.95 L8#3.1 123.53,141.2 v1(123.42,141.1) ; C11#6.2 83.12,11.15 L8#2.1 81.72,10.4 v1(81.62,10.3) ; C11#5.2 82.62,34.85 L8.1 81.22,34.1 v1(81.12,34) ; C15#4.2 127.03,115.65 C13#8.2 ; C15#4.2 126.92,114.85 R1#13.2 126.82,114.25 C20#4.2 ; C15#4.2 126.57,115 ; C15#3.2 127.03,138.85 C13#7.2 ; C15#3.2 126.92,138.05 R1#12.2 126.82,137.45 C20#3.2 ; C15#3.2 126.57,138.2 ; C15#2.2 85.22,8.05 C13#6.2 ; C15#2.2 85.12,7.25 R1#11.2 85.03,6.65 C20#2.2 ; C15#2.2 84.78,7.4 ; C15.2 84.72,31.75 C13#5.2 ; C15.2 84.62,30.95 R1#10.2 84.53,30.35 C20.2 ; C15.2 84.28,31.1 ; v1(140.22,114.1) 139.62,113.5 C26#4.2 137.97,113.55 C28#4.2 ; v1(140.22,137.3) 139.62,136.7 C26#3.2 137.97,136.75 C28#3.2 ; v1(98.43,6.5) 97.82,5.9 C26#2.2 96.18,5.95 C28#2.2 ; v1(97.93,30.2) 97.32,29.6 C26.2 95.68,29.65 C28.2 ; v1(121.32,116.1) 120.88,115.65 C2#13.2 120.47,115.7 X1#8.2 ; v1(121.32,139.3) 120.88,138.85 C2#12.2 120.47,138.9 X1#7.2 ; v1(79.53,8.5) 79.07,8.05 C2#11.2 78.68,8.1 X1#6.2 ; v1(79.03,32.2) 78.57,31.75 C2#10.2 78.18,31.8 X1#5.2 ; v1(91.03,12.3) 91.4,12.67 91.4,13.27 ; v1(132.82,119.9) 133.2,120.27 133.2,120.87 ; v1(132.82,143.1) 133.2,143.47 133.2,144.07 ; v1(90.53,36) 90.9,36.37 90.9,36.97 ; L3#3.2 129.03,143.95 L6#3.2 129.03,143.85 C5#12.2 ; C34.2 C35.2 ; J2#4.3 114.05,98.1 ; C5#13.2 129.03,120.65 L6#4.2 129.03,120.75 L3#4.2 ; L3#2.2 87.22,13.15 L6#2.2 87.22,13.05 C5#11.2 ; C5#10.2 86.72,36.75 L6.2 86.72,36.85 L3.2 ; J2.3 60.83,149.45 ; C34#3.2 C35#3.2 ; C34#2.2 C35#2.2 ; C34#4.2 C35#4.2 ; J2#2.3 60.53,98.55 ; J2#3.3 60.13,46.05